# Altium PCB fpga.PcbDoc (part 9 of 11) (continued)
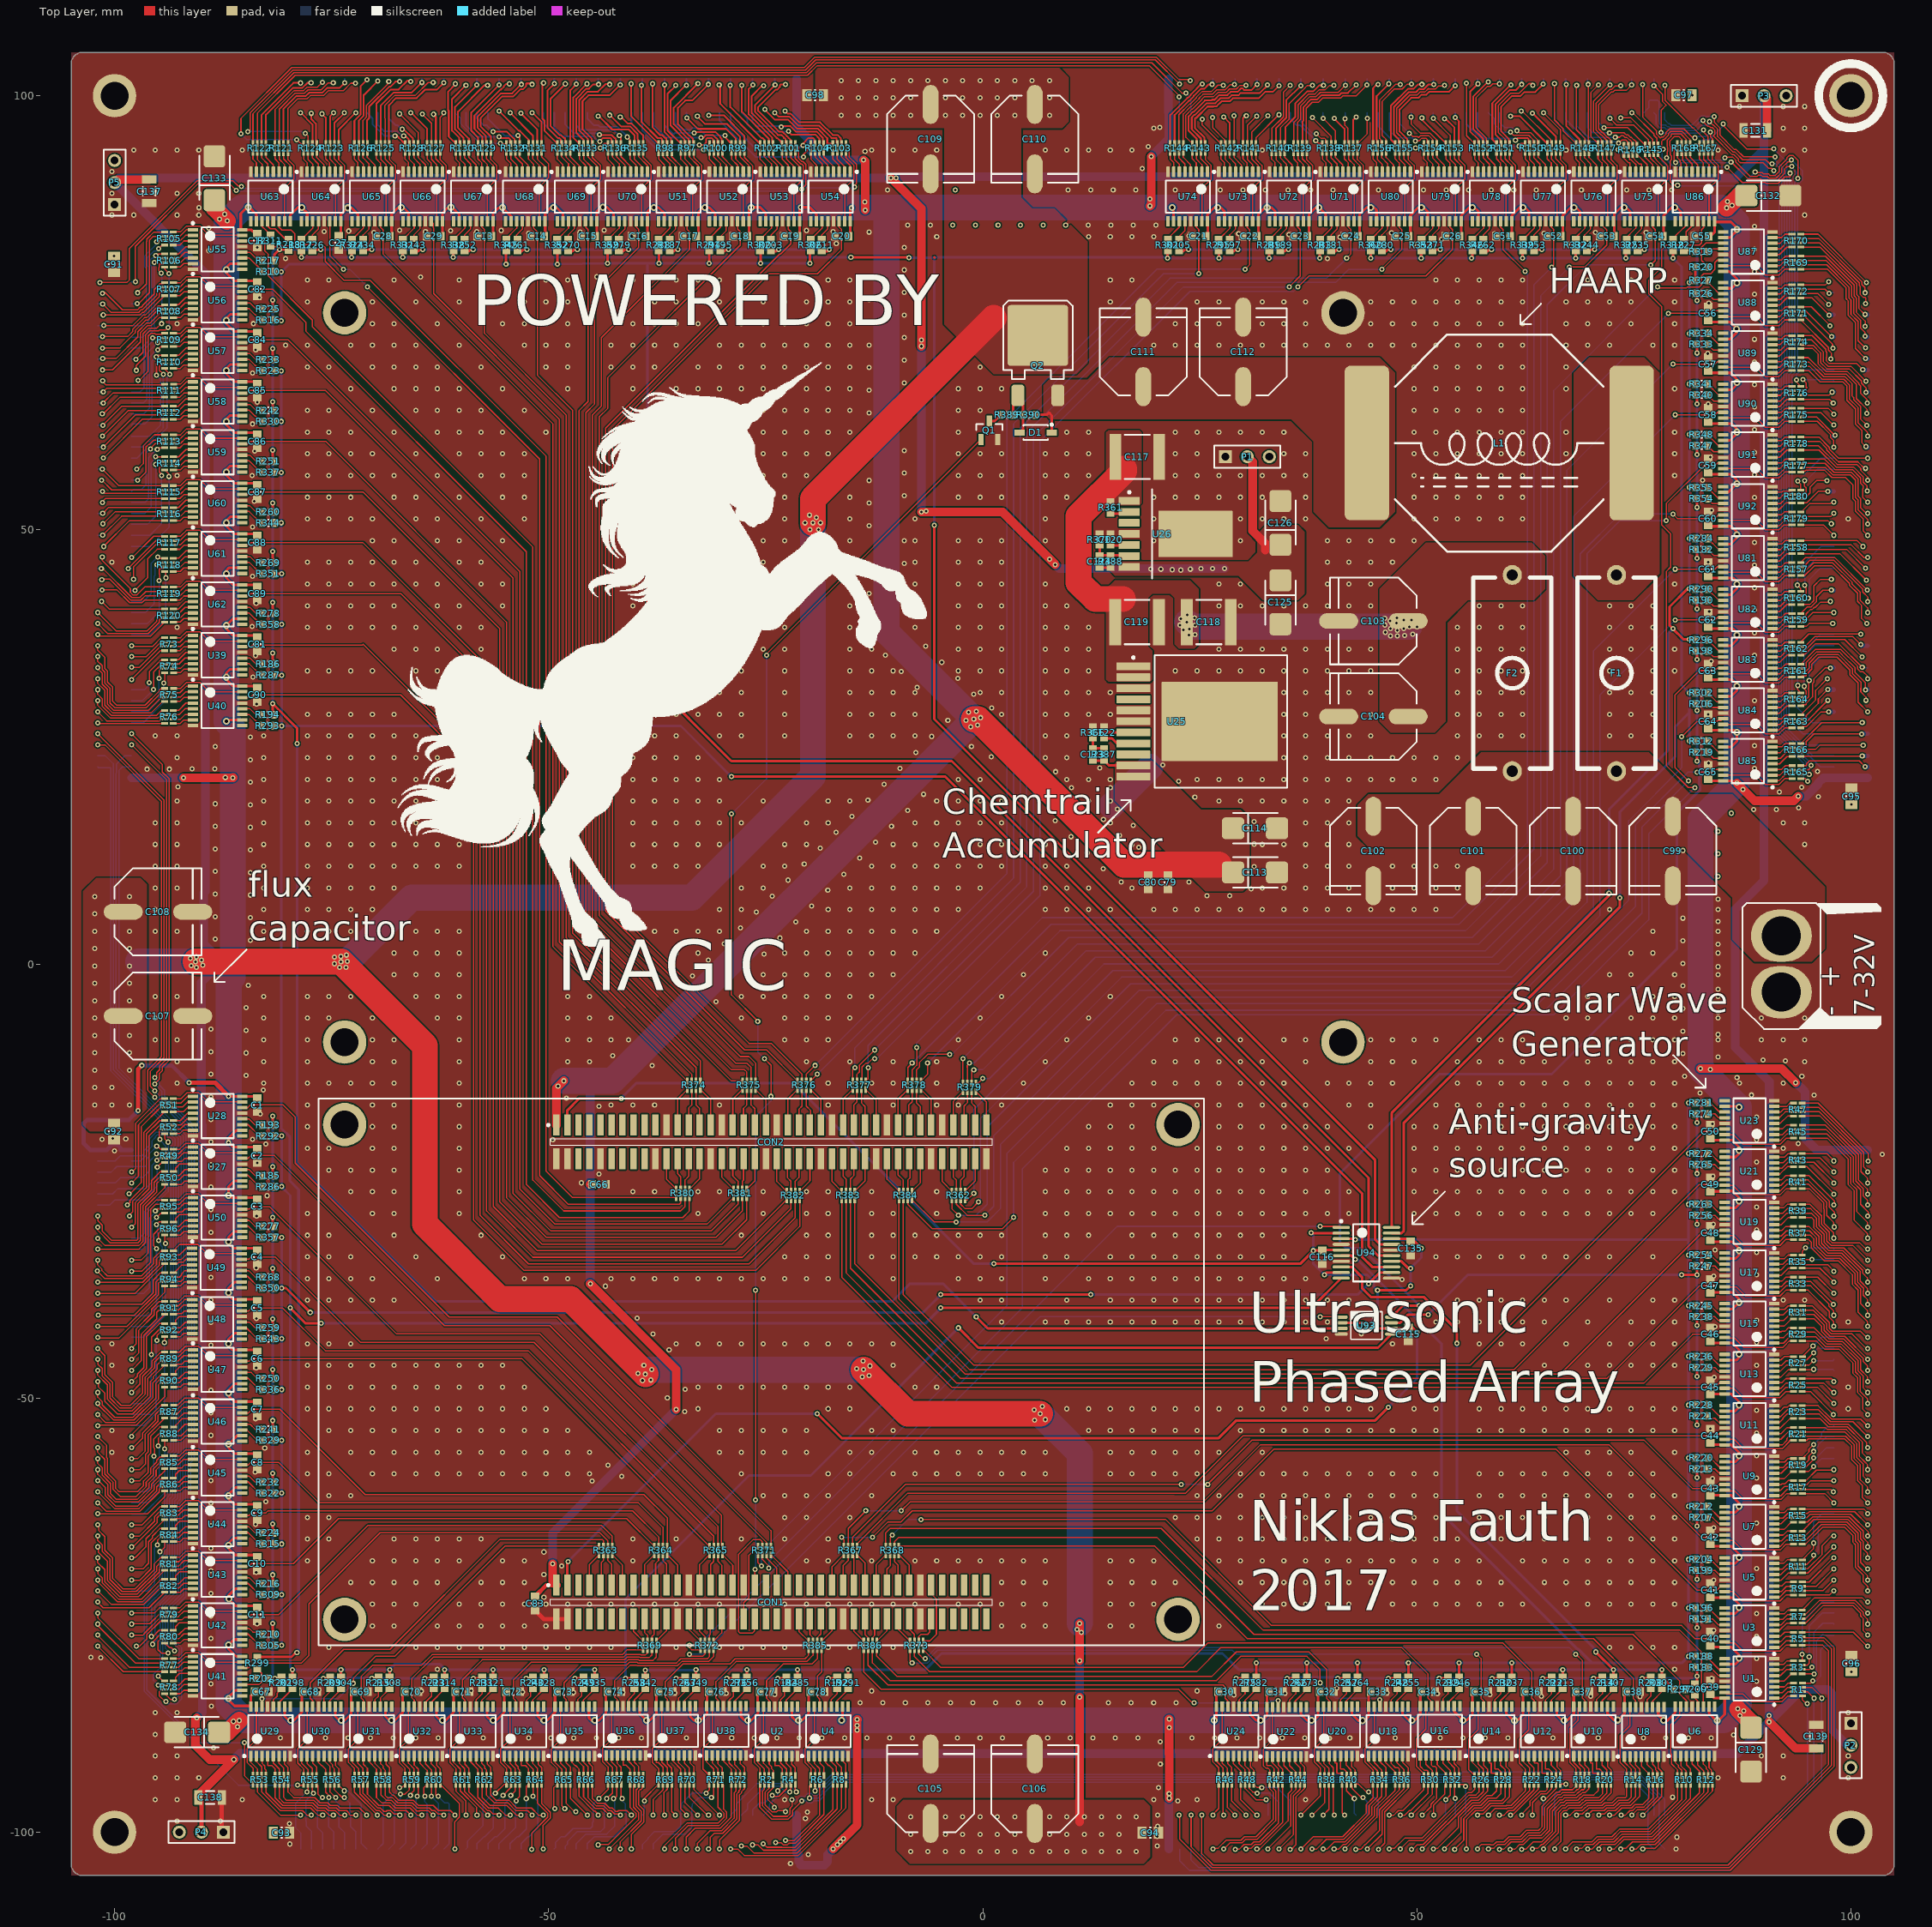
[diagram p0: Top Layer view]
## Nets (pads, with @x,y where several pads share a name; then routed paths per layer and width w, separated by ;. In a path a pad name is that pad's centre, name@x,y a point inside that pad or via, vN(x,y) a via of type N, cw(c..) or ccw(c..) an arc to the next point about the centre after c; other vN are vias at no path point) (continued)
NetR52_2: R52.2 U28.6 | length 2.5
  Top Layer w0.15: R52.2@-93.226,-19.046 -92.444,-19.046 -91.899,-18.501 U28.6@-90.988,-18.501
NetR52_3: R52.3 U28.5 | length 2.5
  Top Layer w0.15: R52.3@-93.226,-18.546 -92.369,-18.546 -91.674,-17.851 U28.5@-90.988,-17.851
NetR52_4: R52.4 U28.4 | length 2.6
  Top Layer w0.15: R52.4@-93.226,-18.046 -92.433,-18.046 -91.588,-17.201 U28.4@-90.988,-17.201
NetR53_1: R53.1 U29.3 | length 2.4
  Top Layer w0.15: U29.3@-83.017,-91.242 -83.017,-92.058 -82.699,-92.376 -82.699,-92.718 -82.558,-92.859 R53.1@-82.558,-93.472
NetR53_2: R53.2 U29.2 | length 2.5
  Top Layer w0.15: U29.2@-83.667,-91.242 -83.667,-91.865 -83.058,-92.474 R53.2@-83.058,-93.472
NetR53_3: R53.3 U29.1 | length 2.5
  Top Layer w0.15: U29.1@-84.317,-91.242 -84.317,-91.952 -83.558,-92.711 R53.3@-83.558,-93.472
NetR53_4: R53.4 U29.15 | length 8.7
  Top Layer w0.15: R53.4@-84.058,-93.472 -84.058,-92.635 -84.742,-91.951 -84.742,-90.417 -83.667,-89.342 U29.15@-83.667,-85.542
NetR54_1: R54.1 U29.7 | length 2.4
  Top Layer w0.15: U29.7@-80.417,-91.242 -80.417,-92.18 -80.018,-92.579 R54.1@-80.018,-93.472
NetR54_2: R54.2 U29.6 | length 2.5
  Top Layer w0.15: U29.6@-81.067,-91.242 -81.067,-92.071 -80.518,-92.62 R54.2@-80.518,-93.472
NetR54_3: R54.3 U29.5 | length 2.5
  Top Layer w0.15: U29.5@-81.717,-91.242 -81.717,-92.037 -81.018,-92.736 R54.3@-81.018,-93.472
NetR54_4: R54.4 U29.4 | length 2.8
  Top Layer w0.15: U29.4@-82.367,-91.242 -82.367,-92.3 -82.342,-92.325 -81.886,-92.325 -81.518,-92.693 R54.4@-81.518,-93.472
NetR55_1: R55.1 U30.3 | length 2.4
  Top Layer w0.15: U30.3@-77.175,-91.242 -77.175,-92.06 -76.732,-92.503 R55.1@-76.732,-93.488
NetR55_2: R55.2 U30.2 | length 2.5
  Top Layer w0.15: U30.2@-77.825,-91.242 -77.825,-92.097 -77.232,-92.69 R55.2@-77.232,-93.488
NetR55_3: R55.3 U30.1 | length 2.6
  Top Layer w0.15: U30.1@-78.475,-91.242 -78.475,-92.046 -77.732,-92.789 R55.3@-77.732,-93.488
NetR55_4: R55.4 U30.15 | length 8.7
  Top Layer w0.15: R55.4@-78.232,-93.488 -78.232,-92.713 -78.9,-92.045 -78.9,-90.417 -77.825,-89.342 U30.15@-77.825,-85.542
NetR56_1: R56.1 U30.7 | length 2.4
  Top Layer w0.15: U30.7@-74.575,-91.242 -74.575,-92.303 -74.18,-92.698 R56.1@-74.18,-93.48
NetR56_2: R56.2 U30.6 | length 2.5
  Top Layer w0.15: U30.6@-75.225,-91.242 -75.225,-91.907 -74.88,-92.252 -74.88,-92.506 -74.68,-92.706 R56.2@-74.68,-93.48
NetR56_3: R56.3 U30.5 | length 2.5
  Top Layer w0.15: U30.5@-75.875,-91.242 -75.875,-91.765 -75.18,-92.46 R56.3@-75.18,-93.48
NetR56_4: R56.4 U30.4 | length 2.6
  Top Layer w0.15: U30.4@-76.525,-91.242 -76.525,-91.971 -76.171,-92.325 -76.099,-92.325 -75.68,-92.745 R56.4@-75.68,-93.48
NetR57_1: R57.1 U31.3 | length 2.4
  Top Layer w0.15: U31.3@-71.333,-91.242 -71.333,-92.197 -70.874,-92.656 R57.1@-70.874,-93.472
NetR57_2: R57.2 U31.2 | length 2.5
  Top Layer w0.15: U31.2@-71.983,-91.242 -71.983,-92.071 -71.374,-92.68 R57.2@-71.374,-93.472
NetR57_3: R57.3 U31.1 | length 2.5
  Top Layer w0.15: U31.1@-72.633,-91.242 -72.633,-91.973 -71.874,-92.732 R57.3@-71.874,-93.472
NetR57_4: R57.4 U31.15 | length 8.7
  Top Layer w0.15: R57.4@-72.374,-93.472 -72.374,-92.656 -73.058,-91.972 -73.058,-90.417 -71.983,-89.342 U31.15@-71.983,-85.542
NetR58_1: R58.1 U31.7 | length 2.4
  Top Layer w0.15: U31.7@-68.733,-91.242 -68.733,-92.184 -68.338,-92.579 R58.1@-68.338,-93.48
NetR58_2: R58.2 U31.6 | length 2.5
  Top Layer w0.15: U31.6@-69.383,-91.242 -69.383,-92.097 -69.059,-92.421 -69.059,-92.638 -68.838,-92.859 R58.2@-68.838,-93.48
NetR58_3: R58.3 U31.5 | length 2.5
  Top Layer w0.15: U31.5@-70.033,-91.242 -70.033,-92.071 -69.338,-92.766 R58.3@-69.338,-93.48
NetR58_4: R58.4 U31.4 | length 2.6
  Top Layer w0.15: U31.4@-70.683,-91.242 -70.683,-91.899 -69.838,-92.745 R58.4@-69.838,-93.48
NetR59_1: R59.1 U32.3 | length 2.4
  Top Layer w0.15: U32.3@-65.491,-91.242 -65.491,-92.273 -65.032,-92.732 R59.1@-65.032,-93.472
NetR59_2: R59.2 U32.2 | length 2.5
  Top Layer w0.15: U32.2@-66.141,-91.242 -66.141,-92.071 -65.532,-92.68 R59.2@-65.532,-93.472
NetR59_3: R59.3 U32.1 | length 2.5
  Top Layer w0.15: U32.1@-66.791,-91.242 -66.791,-91.973 -66.032,-92.732 R59.3@-66.032,-93.472
NetR59_4: R59.4 U32.15 | length 8.7
  Top Layer w0.15: R59.4@-66.532,-93.472 -66.532,-92.656 -67.216,-91.972 -67.216,-90.417 -66.141,-89.342 U32.15@-66.141,-85.542
NetR60_1: R60.1 U32.7 | length 2.4
  Top Layer w0.15: U32.7@-62.891,-91.242 -62.891,-92.303 -62.496,-92.698 R60.1@-62.496,-93.48
NetR60_2: R60.2 U32.6 | length 2.5
  Top Layer w0.15: U32.6@-63.541,-91.242 -63.541,-92.122 -62.996,-92.667 R60.2@-62.996,-93.48
NetR60_3: R60.3 U32.5 | length 2.5
  Top Layer w0.15: U32.5@-64.191,-91.242 -64.191,-92.148 -63.496,-92.843 R60.3@-63.496,-93.48
NetR60_4: R60.4 U32.4 | length 2.6
  Top Layer w0.15: U32.4@-64.841,-91.242 -64.841,-92.046 -63.996,-92.891 R60.4@-63.996,-93.48
NetR61_1: R61.1 U33.3 | length 2.4
  Top Layer w0.15: U33.3@-59.649,-91.242 -59.649,-92.197 -59.19,-92.656 R61.1@-59.19,-93.488
NetR61_2: R61.2 U33.2 | length 2.5
  Top Layer w0.15: U33.2@-60.299,-91.242 -60.299,-92.071 -59.69,-92.68 R61.2@-59.69,-93.488
NetR61_3: R61.3 U33.1 | length 2.6
  Top Layer w0.15: U33.1@-60.949,-91.242 -60.949,-91.977 -60.19,-92.736 R61.3@-60.19,-93.488
NetR61_4: R61.4 U33.15 | length 8.7
  Top Layer w0.15: R61.4@-60.69,-93.488 -60.69,-92.66 -61.374,-91.976 -61.374,-90.417 -60.299,-89.342 U33.15@-60.299,-85.542
NetR62_1: R62.1 U33.7 | length 2.4
  Top Layer w0.15: U33.7@-57.049,-91.242 -57.049,-92.184 -56.654,-92.579 R62.1@-56.654,-93.48
NetR62_2: R62.2 U33.6 | length 2.5
  Top Layer w0.15: U33.6@-57.699,-91.242 -57.699,-92.097 -57.375,-92.421 -57.375,-92.638 -57.154,-92.859 R62.2@-57.154,-93.48
NetR62_3: R62.3 U33.5 | length 2.5
  Top Layer w0.15: U33.5@-58.349,-91.242 -58.349,-92.071 -57.654,-92.766 R62.3@-57.654,-93.48
NetR62_4: R62.4 U33.4 | length 2.6
  Top Layer w0.15: U33.4@-58.999,-91.242 -58.999,-91.899 -58.154,-92.745 R62.4@-58.154,-93.48
NetR63_1: R63.1 U34.3 | length 2.4
  Top Layer w0.15: U34.3@-53.807,-91.242 -53.807,-92.185 -53.514,-92.478 -53.514,-92.693 -53.348,-92.859 R63.1@-53.348,-93.472
NetR63_2: R63.2 U34.2 | length 2.5
  Top Layer w0.15: U34.2@-54.457,-91.242 -54.457,-92.071 -53.848,-92.68 R63.2@-53.848,-93.472
NetR63_3: R63.3 U34.1 | length 2.5
  Top Layer w0.15: U34.1@-55.107,-91.242 -55.107,-91.973 -54.348,-92.732 R63.3@-54.348,-93.472
NetR63_4: R63.4 U34.15 | length 8.7
  Top Layer w0.15: R63.4@-54.848,-93.472 -54.848,-92.656 -55.532,-91.972 -55.532,-90.417 -54.457,-89.342 U34.15@-54.457,-85.542
NetR64_1: R64.1 U34.7 | length 2.4
  Top Layer w0.15: U34.7@-51.207,-91.242 -51.207,-92.18 -50.808,-92.579 R64.1@-50.808,-93.472
NetR64_2: R64.2 U34.6 | length 2.5
  Top Layer w0.15: U34.6@-51.857,-91.242 -51.857,-92.071 -51.308,-92.62 R64.2@-51.308,-93.472
NetR64_3: R64.3 U34.5 | length 2.5
  Top Layer w0.15: U34.5@-52.507,-91.242 -52.507,-92.037 -51.808,-92.736 R64.3@-51.808,-93.472
NetR64_4: R64.4 U34.4 | length 2.8
  Top Layer w0.15: U34.4@-53.157,-91.242 -53.157,-92.3 -53.132,-92.325 -52.676,-92.325 -52.308,-92.693 R64.4@-52.308,-93.472
NetR65_1: R65.1 U35.3 | length 2.4
  Top Layer w0.15: U35.3@-47.965,-91.242 -47.965,-92.036 -47.498,-92.503 R65.1@-47.498,-93.472
NetR65_2: R65.2 U35.2 | length 2.5
  Top Layer w0.15: U35.2@-48.615,-91.242 -48.615,-92.071 -47.998,-92.688 R65.2@-47.998,-93.472
NetR65_3: R65.3 U35.1 | length 2.5
  Top Layer w0.15: U35.1@-49.265,-91.242 -49.265,-91.965 -48.498,-92.732 R65.3@-48.498,-93.472
NetR65_4: R65.4 U35.15 | length 8.7
  Top Layer w0.15: R65.4@-48.998,-93.472 -48.998,-92.656 -49.69,-91.964 -49.69,-90.417 -48.615,-89.342 U35.15@-48.615,-85.542
NetR66_1: R66.1 U35.7 | length 2.4
  Top Layer w0.15: U35.7@-45.365,-91.242 -45.365,-92.049 -44.982,-92.432 R66.1@-44.982,-93.472
NetR66_2: R66.2 U35.6 | length 2.5
  Top Layer w0.15: U35.6@-46.015,-91.242 -46.015,-91.907 -45.482,-92.44 R66.2@-45.482,-93.472
NetR66_3: R66.3 U35.5 | length 2.5
  Top Layer w0.15: U35.5@-46.665,-91.242 -46.665,-91.765 -45.982,-92.448 R66.3@-45.982,-93.472
NetR66_4: R66.4 U35.4 | length 2.6
  Top Layer w0.15: U35.4@-47.315,-91.242 -47.315,-91.971 -46.961,-92.325 -46.901,-92.325 -46.482,-92.745 R66.4@-46.482,-93.472
NetR67_1: R67.1 U36.3 | length 2.5
  Top Layer w0.15: U36.3@-42.082,-91.186 -42.082,-92.099 -41.656,-92.525 R67.1@-41.656,-93.472
NetR67_2: R67.2 U36.2 | length 2.5
  Top Layer w0.15: U36.2@-42.732,-91.186 -42.732,-91.944 -42.156,-92.52 R67.2@-42.156,-93.472
NetR67_3: R67.3 U36.1 | length 2.6
  Top Layer w0.15: U36.1@-43.382,-91.186 -43.382,-91.828 -42.656,-92.554 R67.3@-42.656,-93.472
NetR67_4: R67.4 U36.15 | length 8.7
  Top Layer w0.15: R67.4@-43.156,-93.472 -43.156,-92.501 -43.807,-91.85 -43.807,-90.361 -42.732,-89.286 U36.15@-42.732,-85.486
NetR68_1: R68.1 U36.7
NetR68_2: R68.2 U36.6 | length 2.5
  Top Layer w0.15: U36.6@-40.132,-91.186 -40.132,-91.944 -39.624,-92.452 R68.2@-39.624,-93.472
NetR68_3: R68.3 U36.5 | length 2.6
  Top Layer w0.15: U36.5@-40.782,-91.186 -40.782,-91.85 -40.124,-92.508 R68.3@-40.124,-93.472
NetR68_4: R68.4 U36.4 | length 2.8
  Top Layer w0.15: U36.4@-41.432,-91.186 -41.432,-92.275 -41.407,-92.3 -41.069,-92.3 -40.624,-92.745 R68.4@-40.624,-93.472
NetR69_1: R69.1 U37.3 | length 2.5
  Top Layer w0.15: U37.3@-36.322,-91.186 -36.322,-92.134 -35.826,-92.63 R69.1@-35.826,-93.48
NetR69_2: R69.2 U37.2 | length 2.6
  Top Layer w0.15: U37.2@-36.972,-91.186 -36.972,-91.944 -36.326,-92.59 R69.2@-36.326,-93.48
NetR69_3: R69.3 U37.1 | length 2.8
  Top Layer w0.15: U37.1@-37.622,-91.186 -37.622,-91.97 -37.597,-91.995 -37.359,-91.995 -36.826,-92.529 R69.3@-36.826,-93.48
NetR69_4: R69.4 U37.15 | length 8.7
  Top Layer w0.15: R69.4@-37.326,-93.48 -37.326,-92.69 -38.047,-91.969 -38.047,-90.361 -36.972,-89.286 U37.15@-36.972,-85.486
NetR70_1: R70.1 U37.7 | length 2.5
  Top Layer w0.15: U37.7@-33.722,-91.186 -33.722,-92.021 -33.286,-92.457 R70.1@-33.286,-93.48
NetR70_2: R70.2 U37.6 | length 2.5
  Top Layer w0.15: U37.6@-34.372,-91.186 -34.372,-92.046 -33.786,-92.632 R70.2@-33.786,-93.48
NetR70_3: R70.3 U37.5 | length 2.6
  Top Layer w0.15: U37.5@-35.022,-91.186 -35.022,-92.021 -34.286,-92.757 R70.3@-34.286,-93.48
NetR70_4: R70.4 U37.4 | length 2.7
  Top Layer w0.15: U37.4@-35.672,-91.186 -35.672,-91.846 -34.786,-92.732 R70.4@-34.786,-93.48
NetR71_1: R71.1 U38.3 | length 2.5
  Top Layer w0.15: U38.3@-30.51,-91.186 -30.51,-92.108 -29.988,-92.63 R71.1@-29.988,-93.472
NetR71_2: R71.2 U38.2 | length 2.6
  Top Layer w0.15: U38.2@-31.16,-91.186 -31.16,-92.021 -30.488,-92.693 R71.2@-30.488,-93.472
NetR71_3: R71.3 U38.1 | length 2.6
  Top Layer w0.15: U38.1@-31.81,-91.186 -31.81,-91.906 -30.988,-92.728 R71.3@-30.988,-93.472
NetR71_4: R71.4 U38.15 | length 8.7
  Top Layer w0.15: R71.4@-31.488,-93.472 -32.235,-92.725 -32.235,-90.361 -31.16,-89.286 U38.15@-31.16,-85.486
NetR72_1: R72.1 U38.7 | length 2.5
  Top Layer w0.15: U38.7@-27.91,-91.186 -27.91,-92.122 -27.444,-92.588 R72.1@-27.444,-93.48
NetR72_2: R72.2 U38.6 | length 2.5
  Top Layer w0.15: U38.6@-28.56,-91.186 -28.56,-92.243 -27.944,-92.859 R72.2@-27.944,-93.48
NetR72_3: R72.3 U38.5 | length 2.6
  Top Layer w0.15: U38.5@-29.21,-91.186 -29.21,-92.042 -28.444,-92.808 R72.3@-28.444,-93.48
NetR72_4: R72.4 U38.4 | length 2.7
  Top Layer w0.15: U38.4@-29.86,-91.186 -29.86,-91.828 -28.944,-92.745 R72.4@-28.944,-93.48
NetR73_1: R73.1 U39.3 | length 2.4
  Top Layer w0.15: R73.1@-93.218,36.076 -92.478,36.076 -92.019,36.535 U39.3@-90.988,36.535
NetR73_2: R73.2 U39.2 | length 2.5
  Top Layer w0.15: R73.2@-93.218,36.576 -92.426,36.576 -91.817,37.185 U39.2@-90.988,37.185
NetR73_3: R73.3 U39.1 | length 2.5
  Top Layer w0.15: R73.3@-93.218,37.076 -92.478,37.076 -91.719,37.835 U39.1@-90.988,37.835
NetR73_4: R73.4 U39.15 | length 8.7
  Top Layer w0.15: R73.4@-93.218,37.576 -92.402,37.576 -91.718,38.26 -90.163,38.26 -89.088,37.185 U39.15@-85.288,37.185
NetR74_1: R74.1 U39.7 | length 2.4
  Top Layer w0.15: R74.1@-93.226,33.54 -92.444,33.54 -92.049,33.935 U39.7@-90.988,33.935
NetR74_2: R74.2 U39.6 | length 2.5
  Top Layer w0.15: R74.2@-93.226,34.04 -92.413,34.04 -91.868,34.585 U39.6@-90.988,34.585
NetR74_3: R74.3 U39.5 | length 2.5
  Top Layer w0.15: R74.3@-93.226,34.54 -92.589,34.54 -91.894,35.235 U39.5@-90.988,35.235
NetR74_4: R74.4 U39.4 | length 2.6
  Top Layer w0.15: R74.4@-93.222,35.04 -92.637,35.04 -91.792,35.885 U39.4@-90.988,35.885
NetR75_1: R75.1 U40.3 | length 2.4
  Top Layer w0.15: R75.1@-93.218,30.234 -92.478,30.234 -92.019,30.693 U40.3@-90.988,30.693
NetR75_2: R75.2 U40.2 | length 2.5
  Top Layer w0.15: R75.2@-93.218,30.734 -92.426,30.734 -91.817,31.343 U40.2@-90.988,31.343
NetR75_3: R75.3 U40.1 | length 2.5
  Top Layer w0.15: R75.3@-93.218,31.234 -92.478,31.234 -91.719,31.993 U40.1@-90.988,31.993
NetR75_4: R75.4 U40.15 | length 8.7
  Top Layer w0.15: R75.4@-93.218,31.734 -92.402,31.734 -91.718,32.418 -90.163,32.418 -89.088,31.343 U40.15@-85.288,31.343
NetR76_1: R76.1 U40.7 | length 2.4
  Top Layer w0.15: R76.1@-93.226,27.698 -92.444,27.698 -92.049,28.093 U40.7@-90.988,28.093
NetR76_2: R76.2 U40.6 | length 2.5
  Top Layer w0.15: R76.2@-93.226,28.198 -92.413,28.198 -91.868,28.743 U40.6@-90.988,28.743
NetR76_3: R76.3 U40.5 | length 2.5
  Top Layer w0.15: R76.3@-93.226,28.698 -92.589,28.698 -91.894,29.393 U40.5@-90.988,29.393
NetR76_4: R76.4 U40.4 | length 2.6
  Top Layer w0.15: R76.4@-93.222,29.198 -92.637,29.198 -91.792,30.043 U40.4@-90.988,30.043
NetR77_1: R77.1 U41.3 | length 2.5
  Top Layer w0.15: R77.1@-93.234,-81.518 -92.986,-81.518 -92.986,-81.403 -92.255,-81.403 -91.919,-81.067 U41.3@-90.988,-81.067
NetR77_2: R77.2 U41.2 | length 2.5
  Top Layer w0.15: R77.2@-93.234,-81.018 -92.647,-81.018 -92.046,-80.417 U41.2@-90.988,-80.417
NetR77_3: R77.3 U41.1 | length 2.6
  Top Layer w0.15: R77.3@-93.234,-80.518 -92.579,-80.518 -91.828,-79.767 U41.1@-90.988,-79.767
NetR77_4: R77.4 U41.15 | length 8.7
  Top Layer w0.15: R77.4@-93.234,-80.018 -92.504,-80.018 -91.828,-79.342 -90.324,-79.342 -89.249,-80.417 U41.15@-85.288,-80.417
NetR78_1: R78.1 U41.7 | length 2.4
  Top Layer w0.15: R78.1@-93.226,-84.062 -92.441,-84.062 -92.046,-83.667 U41.7@-90.988,-83.667
NetR78_2: R78.2 U41.6 | length 2.5
  Top Layer w0.15: R78.2@-93.226,-83.562 -92.591,-83.562 -92.046,-83.017 U41.6@-90.988,-83.017
NetR78_3: R78.3 U41.5 | length 2.5
  Top Layer w0.15: R78.3@-93.226,-83.062 -92.579,-83.062 -91.884,-82.367 U41.5@-90.988,-82.367
NetR78_4: R78.4 U41.4 | length 2.8
  Top Layer w0.15: R78.4@-93.226,-82.562 -92.986,-82.562 -92.986,-82.174 -92.529,-81.717 U41.4@-90.988,-81.717
NetR79_1: R79.1 U42.3 | length 2.5
  Top Layer w0.15: R79.1@-93.226,-75.68 -92.986,-75.68 -92.986,-75.561 -92.255,-75.561 -91.919,-75.225 U42.3@-90.988,-75.225
NetR79_2: R79.2 U42.2 | length 2.5
  Top Layer w0.15: R79.2@-93.226,-75.18 -92.651,-75.18 -92.046,-74.575 U42.2@-90.988,-74.575
NetR79_3: R79.3 U42.1 | length 2.6
  Top Layer w0.15: R79.3@-93.226,-74.68 -92.579,-74.68 -91.824,-73.925 U42.1@-90.988,-73.925
NetR79_4: R79.4 U42.15 | length 8.7
  Top Layer w0.15: R79.4@-93.226,-74.18 -92.504,-74.18 -91.824,-73.5 -90.324,-73.5 -89.249,-74.575 U42.15@-85.288,-74.575
NetR80_1: R80.1 U42.7 | length 2.4
  Top Layer w0.15: R80.1@-93.234,-78.232 -92.453,-78.232 -92.046,-77.825 U42.7@-90.988,-77.825
NetR80_2: R80.2 U42.6 | length 2.5
  Top Layer w0.15: R80.2@-93.234,-77.732 -92.603,-77.732 -92.046,-77.175 U42.6@-90.988,-77.175
NetR80_3: R80.3 U42.5 | length 2.5
  Top Layer w0.15: R80.3@-93.234,-77.232 -92.579,-77.232 -91.872,-76.525 U42.5@-90.988,-76.525
NetR80_4: R80.4 U42.4 | length 2.8
  Top Layer w0.15: R80.4@-93.234,-76.732 -92.986,-76.732 -92.986,-76.332 -92.529,-75.875 U42.4@-90.988,-75.875
NetR81_1: R81.1 U43.3 | length 2.5
  Top Layer w0.15: R81.1@-93.234,-69.85 -92.986,-69.85 -92.986,-69.725 -92.236,-69.725 -91.894,-69.383 U43.3@-90.988,-69.383
NetR81_2: R81.2 U43.2 | length 2.5
  Top Layer w0.15: R81.2@-93.234,-69.35 -92.616,-69.35 -91.999,-68.733 U43.2@-90.988,-68.733
NetR81_3: R81.3 U43.1 | length 2.6
  Top Layer w0.15: R81.3@-93.234,-68.85 -92.579,-68.85 -91.812,-68.083 U43.1@-90.988,-68.083
NetR81_4: R81.4 U43.15 | length 8.7
  Top Layer w0.15: R81.4@-93.234,-68.35 -92.504,-68.35 -91.812,-67.658 -90.324,-67.658 -89.249,-68.733 U43.15@-85.288,-68.733
NetR82_1: R82.1 U43.7 | length 2.4
  Top Layer w0.15: R82.1@-93.234,-72.374 -92.437,-72.374 -92.046,-71.983 U43.7@-90.988,-71.983
NetR82_2: R82.2 U43.6 | length 2.5
  Top Layer w0.15: R82.2@-93.234,-71.874 -92.587,-71.874 -92.046,-71.333 U43.6@-90.988,-71.333
NetR82_3: R82.3 U43.5 | length 2.5
  Top Layer w0.15: R82.3@-93.234,-71.374 -92.579,-71.374 -91.888,-70.683 U43.5@-90.988,-70.683
NetR82_4: R82.4 U43.4 | length 2.8
  Top Layer w0.15: R82.4@-93.234,-70.874 -92.986,-70.874 -92.986,-70.49 -92.529,-70.033 U43.4@-90.988,-70.033
NetR83_1: R83.1 U44.3 | length 2.5
  Top Layer w0.15: R83.1@-93.226,-63.996 -92.986,-63.996 -92.986,-63.877 -92.255,-63.877 -91.919,-63.541 U44.3@-90.988,-63.541
NetR83_2: R83.2 U44.2 | length 2.5
  Top Layer w0.15: R83.2@-93.226,-63.496 -92.651,-63.496 -92.046,-62.891 U44.2@-90.988,-62.891
NetR83_3: R83.3 U44.1 | length 2.6
  Top Layer w0.15: R83.3@-93.226,-62.996 -92.579,-62.996 -91.824,-62.241 U44.1@-90.988,-62.241
NetR83_4: R83.4 U44.15 | length 8.7
  Top Layer w0.15: R83.4@-93.226,-62.496 -92.504,-62.496 -91.824,-61.816 -90.324,-61.816 -89.249,-62.891 U44.15@-85.288,-62.891
NetR84_1: R84.1 U44.7 | length 2.4
  Top Layer w0.15: R84.1@-93.226,-66.536 -92.441,-66.536 -92.046,-66.141 U44.7@-90.988,-66.141
NetR84_2: R84.2 U44.6 | length 2.5
  Top Layer w0.15: R84.2@-93.226,-66.036 -92.591,-66.036 -92.046,-65.491 U44.6@-90.988,-65.491
NetR84_3: R84.3 U44.5 | length 2.5
  Top Layer w0.15: R84.3@-93.226,-65.536 -92.579,-65.536 -91.884,-64.841 U44.5@-90.988,-64.841
NetR84_4: R84.4 U44.4 | length 2.8
  Top Layer w0.15: R84.4@-93.226,-65.036 -92.986,-65.036 -92.986,-64.674 -92.503,-64.191 U44.4@-90.988,-64.191
NetR85_1: R85.1 U45.3 | length 2.5
  Top Layer w0.15: R85.1@-93.226,-58.154 -92.986,-58.154 -92.986,-58.035 -92.255,-58.035 -91.919,-57.699 U45.3@-90.988,-57.699
NetR85_2: R85.2 U45.2 | length 2.5
  Top Layer w0.15: R85.2@-93.226,-57.654 -92.651,-57.654 -92.046,-57.049 U45.2@-90.988,-57.049
NetR85_3: R85.3 U45.1 | length 2.6
  Top Layer w0.15: R85.3@-93.226,-57.154 -92.579,-57.154 -91.824,-56.399 U45.1@-90.988,-56.399
NetR85_4: R85.4 U45.15 | length 8.7
  Top Layer w0.15: R85.4@-93.226,-56.654 -92.504,-56.654 -91.824,-55.974 -90.324,-55.974 -89.249,-57.049 U45.15@-85.288,-57.049
NetR86_1: R86.1 U45.7 | length 2.4
  Top Layer w0.15: R86.1@-93.234,-60.698 -92.445,-60.698 -92.046,-60.299 U45.7@-90.988,-60.299
NetR86_2: R86.2 U45.6 | length 2.5
  Top Layer w0.15: R86.2@-93.234,-60.198 -92.595,-60.198 -92.046,-59.649 U45.6@-90.988,-59.649
NetR86_3: R86.3 U45.5 | length 2.5
  Top Layer w0.15: R86.3@-93.234,-59.698 -92.579,-59.698 -91.88,-58.999 U45.5@-90.988,-58.999
NetR86_4: R86.4 U45.4 | length 2.8
  Top Layer w0.15: R86.4@-93.234,-59.198 -92.986,-59.198 -92.986,-58.806 -92.529,-58.349 U45.4@-90.988,-58.349
NetR87_1: R87.1 U46.3 | length 2.5
  Top Layer w0.15: R87.1@-93.218,-52.316 -92.605,-52.316 -92.019,-51.73 U46.3@-90.988,-51.73
NetR87_2: R87.2 U46.2 | length 2.5
  Top Layer w0.15: R87.2@-93.218,-51.816 -92.786,-51.816 -92.05,-51.08 U46.2@-90.988,-51.08
NetR87_3: R87.3 U46.1 | length 2.6
  Top Layer w0.15: R87.3@-93.218,-51.316 -92.807,-51.316 -91.921,-50.43 U46.1@-90.988,-50.43
NetR87_4: R87.4 U46.15 | length 8.7
  Top Layer w0.15: R87.4@-93.218,-50.816 -92.731,-50.816 -91.92,-50.005 -90.324,-50.005 -89.249,-51.08 U46.15@-85.288,-51.08
NetR88_1: R88.1 U46.7 | length 2.4
  Top Layer w0.15: R88.1@-93.218,-54.856 -92.364,-54.856 -91.838,-54.33 U46.7@-90.988,-54.33
NetR88_2: R88.2 U46.6 | length 1.8
  Top Layer w0.15: R88.2@-93.218,-54.356 -92.342,-54.356 -91.666,-53.68
NetR88_3: R88.3 U46.5 | length 2.6
  Top Layer w0.15: R88.3@-93.218,-53.856 -92.712,-53.856 -91.886,-53.03 U46.5@-90.988,-53.03
NetR88_4: R88.4 U46.4 | length 2.8
  Top Layer w0.15: R88.4@-93.218,-53.356 -92.96,-53.356 -92.96,-53.142 -92.198,-52.38 U46.4@-90.988,-52.38
NetR89_1: R89.1 U47.3 | length 2.5
  Top Layer w0.15: R89.1@-93.226,-46.216 -92.986,-46.216 -92.986,-46.097 -92.255,-46.097 -91.919,-45.761 U47.3@-90.988,-45.761
NetR89_2: R89.2 U47.2 | length 2.5
  Top Layer w0.15: R89.2@-93.226,-45.716 -92.651,-45.716 -92.046,-45.111 U47.2@-90.988,-45.111
NetR89_3: R89.3 U47.1 | length 2.6
  Top Layer w0.15: R89.3@-93.226,-45.216 -92.605,-45.216 -91.85,-44.461 U47.1@-90.988,-44.461
NetR89_4: R89.4 U47.15 | length 8.7
  Top Layer w0.15: R89.4@-93.226,-44.716 -92.529,-44.716 -91.849,-44.036 -90.324,-44.036 -89.249,-45.111 U47.15@-85.288,-45.111
NetR90_1: R90.1 U47.7 | length 2.4
  Top Layer w0.15: R90.1@-93.218,-48.744 -92.429,-48.744 -92.046,-48.361 U47.7@-90.988,-48.361
NetR90_2: R90.2 U47.6 | length 2.5
  Top Layer w0.15: R90.2@-93.218,-48.244 -92.579,-48.244 -92.046,-47.711 U47.6@-90.988,-47.711
NetR90_3: R90.3 U47.5 | length 2.5
  Top Layer w0.15: R90.3@-93.218,-47.744 -92.579,-47.744 -91.896,-47.061 U47.5@-90.988,-47.061
NetR90_4: R90.4 U47.4 | length 2.8
  Top Layer w0.15: R90.4@-93.218,-47.244 -92.96,-47.244 -92.96,-46.868 -92.503,-46.411 U47.4@-90.988,-46.411
NetR91_1: R91.1 U48.3 | length 2.4
  Top Layer w0.15: R91.1@-93.226,-40.374 -92.986,-40.374 -92.986,-40.255 -92.24,-40.255 -91.944,-39.96 U48.3@-91.044,-39.96
NetR91_2: R91.2 U48.2 | length 2.4
  Top Layer w0.15: R91.2@-93.226,-39.874 -92.661,-39.874 -92.097,-39.31 U48.2@-91.044,-39.31
NetR91_3: R91.3 U48.1 | length 2.5
  Top Layer w0.15: R91.3@-93.226,-39.374 -92.638,-39.374 -91.924,-38.66 U48.1@-91.044,-38.66
NetR91_4: R91.4 U48.15 | length 8.6
  Top Layer w0.15: R91.4@-93.226,-38.874 -92.562,-38.874 -91.923,-38.235 -90.38,-38.235 -89.305,-39.31 U48.15@-85.344,-39.31
NetR92_1: R92.1 U48.7 | length 2.3
  Top Layer w0.15: R92.1@-93.218,-42.926 -92.412,-42.926 -92.046,-42.56 U48.7@-91.044,-42.56
NetR92_2: R92.2 U48.6 | length 2.4
  Top Layer w0.15: R92.2@-93.218,-42.426 -92.537,-42.426 -92.021,-41.91 U48.6@-91.044,-41.91
NetR92_3: R92.3 U48.5 | length 2.4
  Top Layer w0.15: R92.3@-93.218,-41.926 -92.503,-41.926 -91.837,-41.26 U48.5@-91.044,-41.26
NetR92_4: R92.4 U48.4 | length 2.7
  Top Layer w0.15: R92.4@-93.218,-41.426 -92.96,-41.426 -92.96,-41.042 -92.529,-40.61 U48.4@-91.044,-40.61
NetR93_1: R93.1 U49.3 | length 2.4
  Top Layer w0.15: R93.1@-93.226,-34.532 -92.774,-34.532 -92.605,-34.363 -92.122,-34.363 -91.786,-34.026 U49.3@-91.064,-34.026
NetR93_2: R93.2 U49.2 | length 1.8
  Top Layer w0.15: R93.2@-93.226,-34.032 -92.312,-34.032 U49.2@-91.657,-33.376
NetR93_3: R93.3 U49.1 | length 1.8
  Top Layer w0.15: R93.3@-93.226,-33.532 -92.529,-33.532 -91.723,-32.726
NetR93_4: R93.4 U49.15 | length 8.6
  Top Layer w0.15: R93.4@-93.226,-33.032 -92.495,-32.301 -90.4,-32.301 -89.325,-33.376 U49.15@-85.364,-33.376
NetR94_1: R94.1 U49.7 | length 2.3
  Top Layer w0.15: R94.1@-93.226,-37.072 -92.416,-37.072 -91.97,-36.626 U49.7@-91.064,-36.626
NetR94_2: R94.2 U49.6 | length 2.5
  Top Layer w0.15: R94.2@-93.226,-36.572 -92.364,-36.572 -92.046,-36.254 -92.046,-36.014 -92.009,-35.976 U49.6@-91.064,-35.976
NetR94_3: R94.3 U49.5 | length 2.5
  Top Layer w0.15: R94.3@-93.226,-36.072 -92.529,-36.072 -92.293,-35.836 -92.293,-35.714 -91.905,-35.326 U49.5@-91.064,-35.326
NetR94_4: R94.4 U49.4 | length 2.6
  Top Layer w0.15: R94.4@-93.226,-35.572 -92.986,-35.572 -92.986,-35.413 -92.249,-34.676 U49.4@-91.064,-34.676
NetR95_1: R95.1 U50.3 | length 2.5
  Top Layer w0.15: R95.1@-93.234,-28.702 -92.986,-28.702 -92.986,-28.577 -92.236,-28.577 -91.894,-28.235 U50.3@-90.988,-28.235
NetR95_2: R95.2 U50.2 | length 2.5
  Top Layer w0.15: R95.2@-93.234,-28.202 -92.616,-28.202 -91.999,-27.585 U50.2@-90.988,-27.585
NetR95_3: R95.3 U50.1 | length 2.6
  Top Layer w0.15: R95.3@-93.234,-27.702 -92.579,-27.702 -91.812,-26.935 U50.1@-90.988,-26.935
NetR95_4: R95.4 U50.15 | length 8.7
  Top Layer w0.15: R95.4@-93.234,-27.202 -92.504,-27.202 -91.812,-26.51 -90.324,-26.51 -89.249,-27.585 U50.15@-85.288,-27.585
NetR96_1: R96.1 U50.7 | length 2.4
  Top Layer w0.15: R96.1@-93.226,-31.23 -92.441,-31.23 -92.046,-30.835 U50.7@-90.988,-30.835
NetR96_2: R96.2 U50.6 | length 2.5
  Top Layer w0.15: R96.2@-93.226,-30.73 -92.591,-30.73 -92.046,-30.185 U50.6@-90.988,-30.185
NetR96_3: R96.3 U50.5 | length 2.5
  Top Layer w0.15: R96.3@-93.226,-30.23 -92.579,-30.23 -91.884,-29.535 U50.5@-90.988,-29.535
NetR96_4: R96.4 U50.4 | length 2.8
  Top Layer w0.15: R96.4@-93.226,-29.73 -92.986,-29.73 -92.986,-29.342 -92.529,-28.885 U50.4@-90.988,-28.885
NetR97_1: R97.1 U51.3 | length 2.5
  Top Layer w0.15: R97.1@-34.782,93.472 -34.782,92.694 -34.077,91.989 U51.3@-34.077,91.242
NetR97_2: R97.2 U51.2 | length 2.6
  Top Layer w0.15: R97.2@-34.29,93.464 -34.29,92.71 -33.427,91.847 U51.2@-33.427,91.242
NetR97_3: R97.3 U51.1 | length 2.6
  Top Layer w0.15: R97.3@-33.782,93.472 -33.782,92.964 -32.766,91.948 U51.1@-32.766,91.253
NetR97_4: R97.4 U51.15 | length 8.8
  Top Layer w0.15: U51.15@-33.427,85.542 -33.427,89.342 -32.352,90.417 -32.352,91.958 -33.282,92.888 R97.4@-33.282,93.472
NetR98_1: R98.1 U51.7 | length 2.5
  Top Layer w0.15: R98.1@-37.322,93.488 -37.322,92.694 -36.677,92.049 U51.7@-36.677,91.242
NetR98_2: R98.2 U51.6 | length 2.6
  Top Layer w0.15: R98.2@-36.83,93.48 -36.83,92.964 -36.027,92.161 U51.6@-36.027,91.242
NetR98_3: R98.3 U51.5 | length 2.6
  Top Layer w0.15: R98.3@-36.322,93.488 -36.322,92.964 -35.377,92.019 U51.5@-35.377,91.242
NetR98_4: R98.4 U51.4 | length 2.7
  Top Layer w0.15: R98.4@-35.822,93.488 -35.822,92.972 -34.727,91.877 U51.4@-34.727,91.242
NetR99_1: R99.1 U52.3 | length 2.5
  Top Layer w0.15: R99.1@-28.94,93.472 -28.94,92.694 -28.235,91.989 U52.3@-28.235,91.242
NetR99_2: R99.2 U52.2 | length 2.6
  Top Layer w0.15: R99.2@-28.448,93.464 -28.448,92.71 -27.585,91.847 U52.2@-27.585,91.242
NetR99_3: R99.3 U52.1 | length 2.6
  Top Layer w0.15: R99.3@-27.94,93.472 -27.94,92.964 -26.924,91.948 U52.1@-26.924,91.253
NetR99_4: R99.4 U52.15 | length 8.8
  Top Layer w0.15: U52.15@-27.585,85.542 -27.585,89.342 -26.51,90.417 -26.51,91.958 -27.44,92.888 R99.4@-27.44,93.472
NetR100_1: R100.1 U52.7 | length 2.5
  Top Layer w0.15: R100.1@-31.48,93.488 -31.48,92.694 -30.835,92.049 U52.7@-30.835,91.242
NetR100_2: R100.2 U52.6 | length 2.6
  Top Layer w0.15: R100.2@-30.988,93.48 -30.988,92.964 -30.185,92.161 U52.6@-30.185,91.242
NetR100_3: R100.3 U52.5 | length 2.6
  Top Layer w0.15: R100.3@-30.48,93.488 -30.48,92.964 -29.535,92.019 U52.5@-29.535,91.242
NetR100_4: R100.4 U52.4 | length 2.7
  Top Layer w0.15: R100.4@-29.98,93.488 -29.98,92.972 -28.885,91.877 U52.4@-28.885,91.242
NetR101_1: R101.1 U53.3 | length 2.5
  Top Layer w0.15: R101.1@-23.098,93.472 -23.098,92.694 -22.393,91.989 U53.3@-22.393,91.242
NetR101_2: R101.2 U53.2 | length 2.6
  Top Layer w0.15: R101.2@-22.606,93.464 -22.606,92.71 -21.743,91.847 U53.2@-21.743,91.242
NetR101_3: R101.3 U53.1 | length 2.6
  Top Layer w0.15: R101.3@-22.098,93.472 -22.098,92.846 -21.091,91.839 -21.082,91.839 U53.1@-21.082,91.253
NetR101_4: R101.4 U53.15 | length 8.8
  Top Layer w0.15: U53.15@-21.743,85.542 -21.743,89.342 -20.668,90.417 -20.668,91.958 -20.849,92.139 -20.967,92.139 -21.598,92.771 R101.4@-21.598,93.472
NetR102_1: R102.1 U53.7 | length 2.5
  Top Layer w0.15: R102.1@-25.638,93.488 -25.638,92.694 -24.993,92.049 U53.7@-24.993,91.242
NetR102_2: R102.2 U53.6 | length 2.6
  Top Layer w0.15: R102.2@-25.146,93.48 -25.146,92.964 -24.343,92.161 U53.6@-24.343,91.242
NetR102_3: R102.3 U53.5 | length 2.6
  Top Layer w0.15: R102.3@-24.638,93.488 -24.638,92.964 -23.693,92.019 U53.5@-23.693,91.242
NetR102_4: R102.4 U53.4 | length 2.7
  Top Layer w0.15: R102.4@-24.138,93.488 -24.138,92.972 -23.043,91.877 U53.4@-23.043,91.242
NetR103_1: R103.1 U54.3 | length 2.5
  Top Layer w0.15: R103.1@-17.256,93.472 -17.256,92.694 -16.551,91.989 U54.3@-16.551,91.242